# Altium PCB BDD_modul_ARM_v2.1_PCB.PcbDoc (continued)
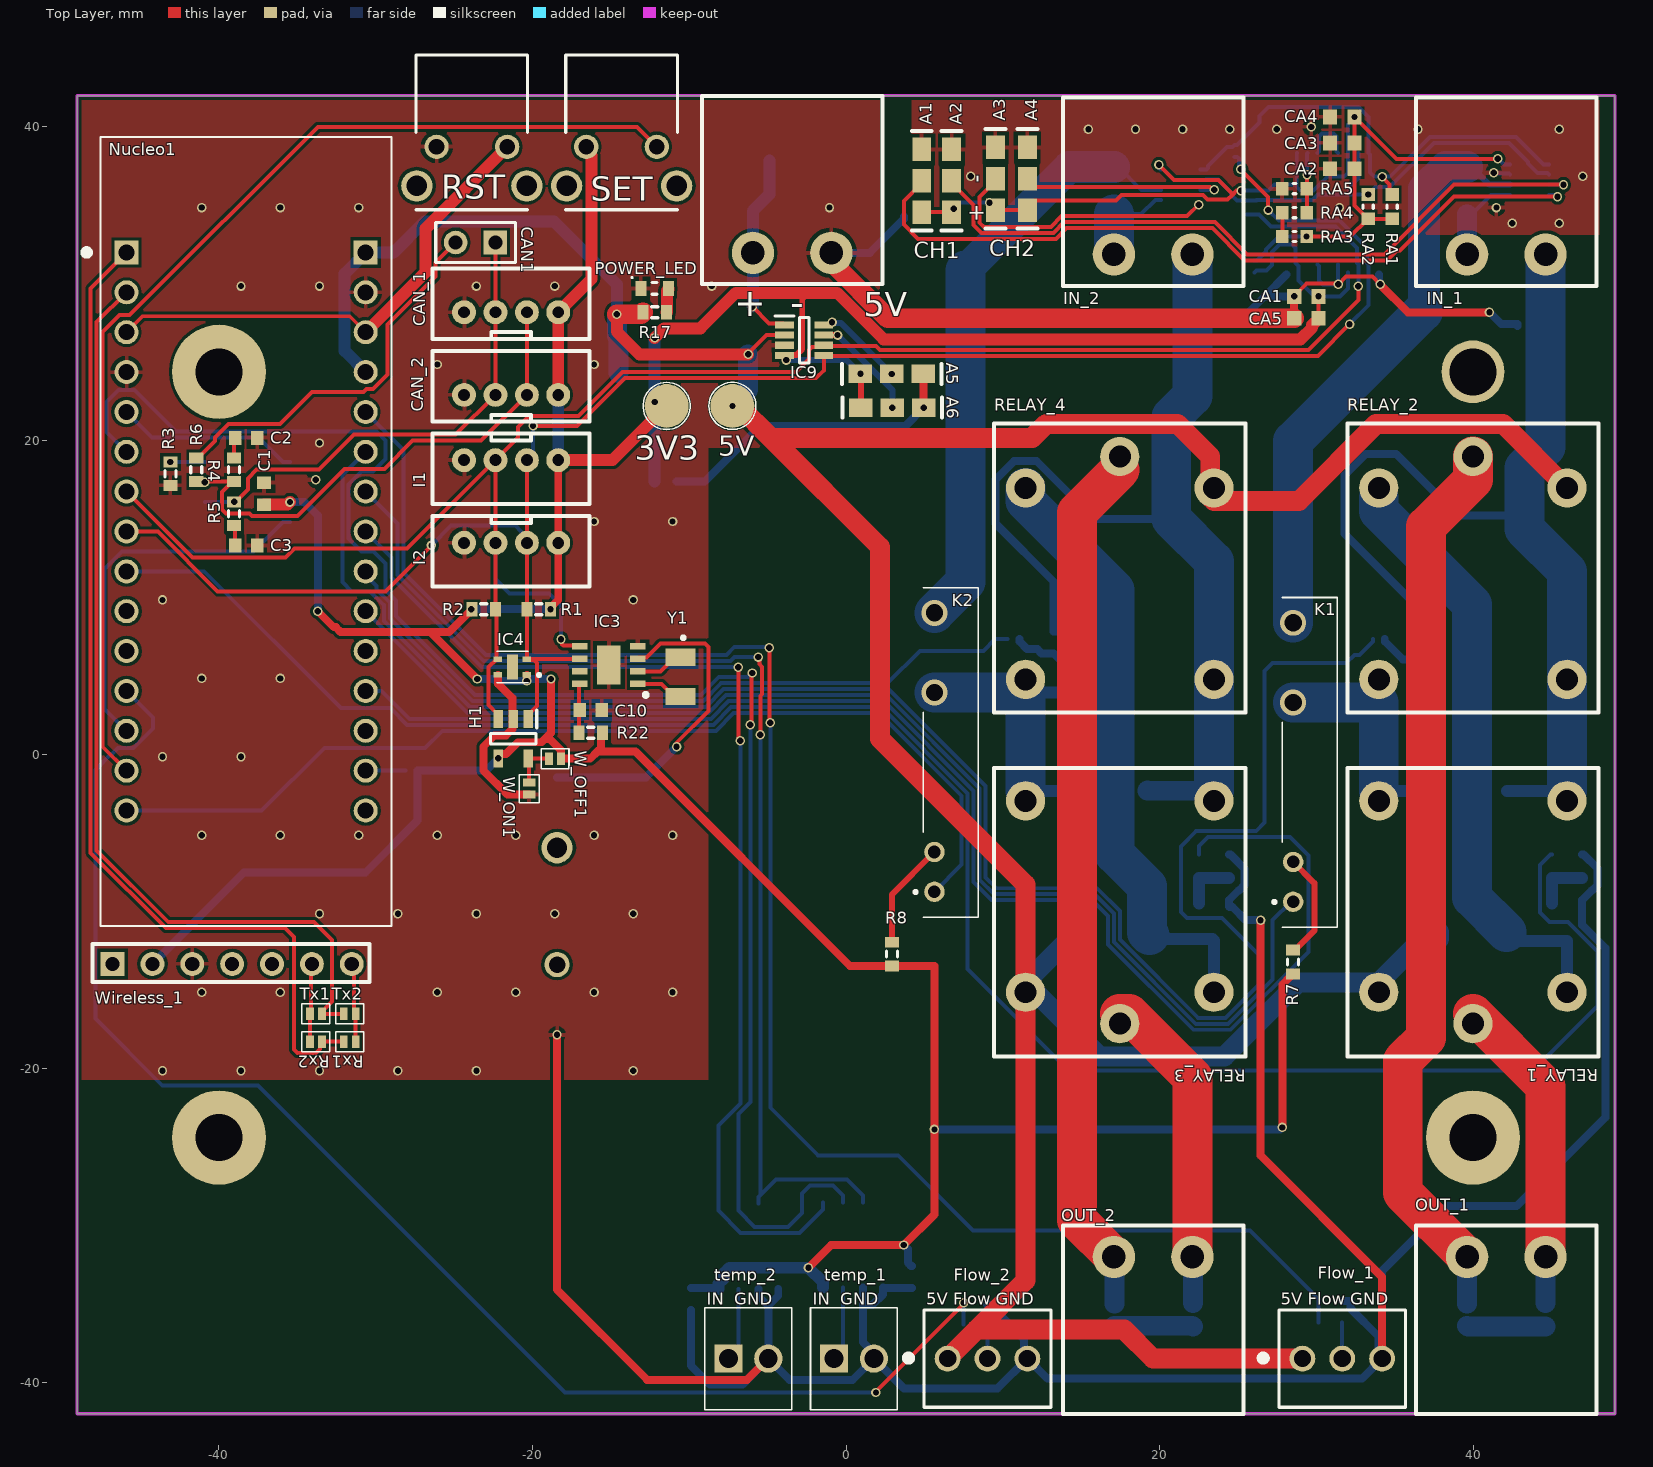
[diagram p0: Top Layer view]
## Via types
v1: diameter 0.6, hole 0.4, Top Layer to Bottom Layer, tented both sides, 127 vias
v2: diameter 1, hole 0.8, Top Layer to Bottom Layer, tented both sides, 4 vias
v3: diameter 1.4, hole 1.3, Top Layer to Bottom Layer, tented both sides, 4 vias
v4: diameter 1.2, hole 1, Top Layer to Bottom Layer, tented both sides, 4 vias
v5: diameter 1.65, hole 1.1, Top Layer to Bottom Layer, tented both sides, 4 vias

## Nets (pads, with @x,y where several pads share a name; then routed paths per layer and width w, separated by ;. In a path a pad name is that pad's centre, name@x,y a point inside that pad or via, vN(x,y) a via of type N, cw(c..) or ccw(c..) an arc to the next point about the centre after c; other vN are vias at no path point)
3V3: 1.2 3V3.1 3v3.1 A5.3 A6.3 C1.1 C4.1 C5.1 C6.1 C7.1 C8.1 C15.2 C16.2 CA1.1 CA5.1 CAN_1.4 CAN_2.4 H1.4 I1.1 I2.1 IC1.3 IC2.2 IC4.1 IC7.4 IC8.4 IC9.4 ISO1.4 ISO1.9 R1.2 R2.2 R7.1 R8.1 R22.1 SET.2 W_OFF1.2 Wireless_1.2 | length 292.8
  Top Layer w0.254: v1(-23.876,9.271) R2.2 ; R1.2@-18.836,9.171 v1(-18.836,9.271) ; CA5.1 v1(30.112,29.21)
  Top Layer w0.381: v1(-3.81,25.146) -3.917,25.253 IC9.4 -3.883,25.475 -3.155,25.475 -2.789,25.842 -2.789,29.056 -2.413,29.432 ; v1(0.921,24.273) 0.953,24.241 A6.3
  Top Layer w0.508: v1(-33.655,9.144) -32.639,8.128 -32.512,8.128 -32.207,7.823 -26.492,7.823 ; R2.2 -23.836,9.171 -23.932,9.075 -24.032,9.075 -25.284,7.823 -26.492,7.823 ; v1(-23.495,4.826) -26.492,7.823 ; v1(-22.159,-0.234) -22.159,0.041 -21.663,0.041 -20.91,0.795 -19.398,0.795 -19.177,1.016 ; v1(-20.336,4.699) IC4.1 ; v1(-18.836,9.271) -18.836,9.371 -18.336,9.871 I2.1 I1.1 ; v1(-18.796,4.826) -18.796,1.397 -19.177,1.016 ; R22.1 -15.602,1.301 -15.602,0.444 -15.833,0.212 ; v1(-2.393,-32.693) -0.943,-31.242 v1(3.683,-31.242) 5.635,-29.29 v1(5.635,-23.876) 5.635,-13.45 R8.1 0.242,-13.45 -13.42,0.212 -15.833,0.212 ; v1(27.8,-23.749) 27.8,-14.653 28.299,-14.154 28.299,-14.054 28.395,-13.958 R7.1 ; -19.177,1.016 -18.901,1.016 -18.165,0.28 -18.165,-0.25 W_OFF1.2 -16.3,-0.254 -15.833,0.212
  Top Layer w0.762: C1.1 -37.065,15.956 -35.578,15.956 v1(-35.433,16.101) ; I1.1 -14.887,18.768 3V3.1 ; CAN_2.4 CAN_1.4 -16.224,30.306 -16.224,38.196 -16.55,38.522 v4(-16.55,38.735) ; v1(-12.192,26.568) -11.597,27.163 -9.286,27.163 -7.017,29.432 -2.413,29.432 -0.568,29.432 2.394,26.469 28.965,26.469 29.705,27.209 29.705,27.381 30.112,27.788 CA5.1
  Bottom Layer w0.254: 3v3.1 26.158,30.857 26.791,30.857 27.144,31.209 27.144,32.037 27.618,32.512 28.421,32.512 28.652,32.281 28.652,31.344 ISO1.9 28.848,31.148 28.848,30.211 29.782,29.276 ; v1(30.112,29.21) 31.494,29.21 32,29.716 ISO1.4@32,30.736
  Bottom Layer w0.381: v1(-3.81,25.146) 0.048,25.146 v1(0.921,24.273)
  Bottom Layer w0.508: Wireless_1.2 -38.354,-7.493 -30.607,-7.493 -27.305,-4.191 1.2 -22.941,-1.016 v1(-22.159,-0.234) ; v1(-35.433,16.101) -34.516,16.101 -33.655,15.24 v1(-33.655,9.144) ; v1(-23.876,9.271) v1(-18.836,9.271) ; v1(-23.495,4.826) -22.433,4.826 -22.306,4.699 v1(-20.336,4.699) -20.311,4.699 -20.184,4.826 v1(-18.796,4.826) ; C16.2 -8.193,-33.971 IC8.4 ; v1(3.683,-31.242) 3.937,-31.496 3.937,-32.32 3.995,-32.378 3.995,-32.428 4.141,-32.574 C15.2 ; v1(5.635,-23.876) 27.648,-23.876 27.775,-23.749 v1(27.8,-23.749)
  Bottom Layer w0.762: I1.1 CAN_2.4 ; C8.1 C5.1 C6.1 C7.1 v1(-12.192,22.479) C4.1 v1(-12.192,26.568) ; IC8.4 -8.128,-33.71 -7.764,-33.346 -7.764,-33.033 -7.424,-32.693 v1(-2.393,-32.693) -1.457,-33.628 IC7.4
3v3_ISO_1: 3v3.2 A1.3 A2.3 A3.3 A4.3 CA2.1 CA3.1 CA4.1 IC5.4 IC6.4 ISO1.12 ISO1.17 RA1.2 RA2.2 RA3.2 | length 68.7
  Top Layer w0.254: A1.3 A2.3 ; v1(9.144,35.179) 9.144,35.084 A3.3 11.407,34.703 12.03,35.326 17.208,35.326 17.561,35.679 22.739,35.679 23.046,35.372 24.323,35.372 24.63,35.679 ; v1(19.939,37.592) 20.905,36.626 23.728,36.626 24.63,35.724 24.63,35.679 ; v1(25.17,35.941) 24.892,35.941 24.63,35.679 ; v1(29.35,33.02) 32.119,33.02 33.249,34.15 32.398,35.001 CA2.1 CA3.1 CA4.1@32.398,40.615 ; v1(32.398,40.64) CA4.1@32.398,40.615 ; RA2.2 RA1.2 ; v1(41.529,37.973) 35.065,37.973 32.746,40.292 32.721,40.292 CA4.1@32.398,40.615
  Bottom Layer w0.254: v1(6.858,34.798) 7.239,35.179 v1(9.144,35.179) ; v1(19.939,37.592) 19.939,37.397 20.037,37.299 IC6.4 ; v1(25.17,35.941) 26.932,35.941 27.313,36.322 28.723,36.322 ; 3v3.2 26.185,31.496 26.763,32.073 26.763,32.195 27.588,33.02 29.002,33.02 v1(29.35,33.02) ; ISO1.12 28.723,38.319 28.723,36.322 ; v1(32.398,40.64) 32.398,40.546 32,40.148 ISO1.17 32,37.084 31.746,36.83 30.674,36.83 29.785,35.941 28.946,35.941 28.723,36.164 28.723,36.322 ; v1(41.529,37.973) 41.587,37.973 41.936,37.624 IC5.4
5V: 5V.1@-7.239,22.225 C9.1 D1.1 D3.1 Flow_1.1 Flow_2.1 IC2.3 IC9.2 Nucleo1.4.1 Nucleo1.4.4 R15.1 R17.1 RELAY_1.2 RELAY_2.2 RELAY_3.2 RELAY_4.2 | length 238.9
  Top Layer w0.254: v1(-6.234,25.516) -6.234,25.566 -5.059,26.741 IC9.2
  Top Layer w0.762: v1(-14.605,28.067) -14.605,26.956 -13.165,25.516 v1(-6.234,25.516)
  Top Layer w1.27: v1(-14.605,28.067) -13.069,28.067 R17.1 ; v1(-7.239,22.225) -6.827,22.225 -4.795,20.193 ; Flow_2.1 8.319,-36.639 ; Flow_1.1 19.57,-38.481 17.729,-36.639 8.319,-36.639 ; RELAY_2.2 41.865,21.086 33.786,21.086 28.861,16.161 23.446,16.161 23.211,16.396 23.211,17.001 23.211,19.001 21.126,21.086 12.764,21.086 11.87,20.193 -4.795,20.193 ; -4.795,20.193 2.159,13.239 2.159,1.016 11.446,-8.271 RELAY_3.2 11.446,-33.512 8.319,-36.639
  Bottom Layer w0.762: Nucleo1.4.4 -30.607,24.39 -31.953,25.736 -31.953,30.658 Nucleo1.4.1 -28.829,32.004 -26.863,33.97 -18.603,33.97 -14.605,29.972 v1(-14.605,28.067)
  Bottom Layer w1.27: v1(-14.605,28.067) -14.605,26.681 IC2.3 C9.1 ; v1(-7.239,22.225) -6.234,23.23 v1(-6.234,25.516) ; D3.1 15.042,-11.733 15.032,-11.743 14.213,-11.743 11.531,-14.425 11.531,-14.595 16.158,-19.222 24.117,-19.222 28.829,-14.51 33.95,-14.51 36.717,-11.743 37.79,-11.743 37.8,-11.733 D1.1
5V_mer: 5V.2 "micro USB1.1" IC9.1 R15.2 | length 12.3
  Top Layer w0.254: v1(-5.969,28.551) -4.898,27.48 -4.006,27.48 IC9.1
  Bottom Layer w0.762: v1(-5.969,28.551) -5.929,28.591 5V.2 -5.929,34.657 -4.885,35.701 -4.885,37.853
ADR0_1: A2.2 IC5.7 | length 45.1
  Top Layer w0.254: A2.2 6.731,36.426 8.136,35.021 8.136,33.741 8.632,33.245 13.21,33.245 13.9,33.935 23.5,33.935 25.558,31.877 34.307,31.877 38.752,36.322 v1(45.72,36.322)
  Bottom Layer w0.254: IC5.7 44.812,36.323 v1(45.72,36.322) v1(45.72,36.322)
ADR0_2: A4.2 IC6.7 | length 13.1
  Top Layer w0.254: A4.2 11.557,36.66 12.03,36.187 23.186,36.187 23.374,35.999 v1(23.468,35.999)
  Bottom Layer w0.254: IC6.7 v1(23.468,35.999)
ADR0_3: A6.2 IC9.7 | length 7
  Top Layer w0.381: IC9.7 v1(-0.535,26.741)
  Bottom Layer w0.381: v1(-0.535,26.741) -0.535,26.736 2.953,23.248 v1(2.953,22.114)
ADR1_1: A1.2 IC5.8 | length 48.7
  Top Layer w0.254: A1.2 4.826,36.426 3.683,35.283 3.683,33.782 4.601,32.864 13.368,32.864 14.058,33.554 23.342,33.554 25.4,31.496 34.465,31.496 35.1,32.131 35.306,32.131 38.735,35.56 v1(45.339,35.56)
  Bottom Layer w0.254: IC5.8 45.225,35.674 v1(45.339,35.56)
ADR1_2: A3.2 IC6.8 | length 17.9
  Top Layer w0.254: A3.2 9.525,36.553 8.517,35.545 8.517,33.899 8.79,33.626 13.052,33.626 13.742,34.316 21.743,34.316 v1(22.479,35.052)
ADR1_3: A5.2 IC9.8 | length 5.8
  Top Layer w0.381: IC9.8 -1.042,27.391 -0.889,27.544 v1(-0.889,27.559)
  Bottom Layer w0.381: v1(-0.889,27.559) -0.847,27.517 -0.334,27.517 2.921,24.262 v1(2.921,24.257)
BDD1_Pac_+: IC5.1 IN_1.2 R13.2 | length 5.8
  Bottom Layer w0.254: R13.2 39.877,34.441 41.11,35.674 IC5.1
  Bottom Layer w1.27: IN_1.2 R13.2
BDD1_Pac_-: IC5.2 K1.4 R13.1 | length 37.6
  Bottom Layer w0.381: R13.1 39.877,37.441 40.994,36.324 IC5.2
  Bottom Layer w2.032: 36.757,28.248 36.83,28.321 36.83,36.05 38.221,37.441 R13.1
  Bottom Layer w2.54: v5(28.495,8.406) 28.495,19.986 36.757,28.248
BDD2_Pac_+: IC6.1 IN_2.2 R14.2 | length 6
  Bottom Layer w0.254: R14.2 18.803,34.441 19.711,35.349 IC6.1
  Bottom Layer w2.54: R14.2 IN_2.2 IN_2.2@17.104,31.908
BDD2_Pac_-: IC6.2 K2.4 R14.1 | length 38.4
  Bottom Layer w0.254: R14.1 17.373,37.441 18.815,35.999 IC6.2
  Bottom Layer w2.032: 7.62,30.861 14.2,37.441 R14.1
  Bottom Layer w2.54: v5(5.635,9.041) 7.62,11.026 7.62,30.861
BDD_1_DUTY_CYCLE: K1.1 Nucleo1.4.10 | length 80.8
  Bottom Layer w0.254: Nucleo1.4.10 -24.129,2.666 -8.771,2.666 -7.634,3.802 2.565,3.802 8.509,-2.142 8.509,-7.967 9.432,-8.89 15.844,-8.89 16.458,-9.504 16.458,-9.52 17.065,-10.127 17.065,-11.922 22.288,-17.145 24.353,-17.145 27.178,-14.32 27.178,-10.541 28.345,-9.374 v2(28.495,-9.374)
BDD_1_V-: D2.2 IN_1.1 R27.2 RELAY_1.4 RELAY_2.3 to_GND1.1 | length 66
  Bottom Layer w0.508: R27.2 36.068,9.775 31.75,14.093 31.75,17.78 33.147,19.177 35.052,19.177 38.989,15.24 42.164,15.24 43.23,16.306 ; D2.2 D2.2@42.124,-2.31
  Bottom Layer w0.762: D2.2@42.124,-2.31 RELAY_1.4@45.95,-2.31
  Bottom Layer w2.54: IN_1.1 44.577,19.613 43.23,18.266 43.23,16.306 43.23,14.399 45.95,11.679 RELAY_2.3 RELAY_1.4@45.95,-2.31
BDD_2_DUTY_CYCLE: K2.1 Nucleo1.3.15 | length 64.8
  Bottom Layer w0.254: Nucleo1.3.15 -37.231,-3.556 -33.243,0.432 -26.818,0.432 -25.728,1.523 -8.297,1.523 -7.161,2.659 2.092,2.659 7.366,-2.615 7.366,-7.008 v2(5.635,-8.739)
BDD_2_V-: D4.2 IN_2.1 R32.2 RELAY_3.4 RELAY_4.3 to_GND2.1 | length 64.6
  Bottom Layer w0.508: R32.2 13.235,7.862 13.235,11.022 9.525,14.732 9.525,17.526 10.704,18.705 12.152,18.705 15.823,15.034 20.726,15.034
  Bottom Layer w1.27: D4.2 19.215,-2.288 19.225,-2.298 23.434,-2.298 RELAY_3.4@23.446,-2.31 ; RELAY_4.3@23.434,3.949 RELAY_4.3@23.446,3.961
  Bottom Layer w2.54: IN_2.1 22.073,22.86 20.726,21.513 20.726,15.034 23.446,12.314 RELAY_4.3 23.446,3.961 RELAY_3.4@23.446,-2.31
Button: Nucleo1.3.14 SET.1 | length 69.8
  Top Layer w0.254: Nucleo1.3.14 -47.371,0.508 -47.371,26.944 -46.299,28.016 -45.644,28.016 -33.655,40.005 -13.32,40.005 v4(-12.05,38.735)
CAN_RX: IC1.4 Nucleo1.3.13 | length 23.9
  Bottom Layer w0.254: Nucleo1.3.13 -47.244,2.921 -47.244,11.831 -46.121,12.954 -37.747,12.954 -35.87,14.831 IC1.4
CAN_TX: IC1.1 Nucleo1.3.5 | length 11.7
  Bottom Layer w0.254: Nucleo1.3.5 -44.222,20.219 -37.449,20.219 -35.87,18.641 IC1.1
CANH: CAN_1.3 CAN_2.3 IC1.7 R4.2 R6.2 | length 32
  Top Layer w0.254: v1@-40.857,17.411 R4.2@-39.089,17.411 ; R4.2 R4.2@-39.089,17.411 ; CAN_1.3 CAN_2.3 -23.252,20.015 -27.61,20.015 -29.413,18.212 -31.953,18.212 -34.955,15.21 -37.856,15.21 -38.013,15.367 -39.501,15.367 -39.766,15.632 -39.766,16.734 R4.2@-39.089,17.411
  other v1: -40.857,17.371
CANL: CAN1.1 CAN_1.2 CAN_2.2 IC1.6 R5.2 | length 31.5
  Top Layer w0.254: v1(-38.989,16.117) -38.889,16.117 -38.119,16.887 -38.119,17.614 -37.572,18.161 -33.593,18.161 -31.358,20.396 -24.871,20.396 CAN_2.2 CAN_1.2 CAN1.1
  Bottom Layer w0.254: IC1.6 -40.849,16.109 -38.997,16.109 v1(-38.989,16.117)
CS_Termoclánok: IC7.6 IC8.6 Nucleo1.3.6 | length 107.1
  Top Layer w0.254: v1(-6.096,1.905) -6.032,1.968 -6.032,5.143 v1(-5.969,5.207)
  Bottom Layer w0.254: Nucleo1.3.6 -47.117,20.574 -47.117,22.479 -46.355,23.241 -45.339,23.241 -42.698,20.6 -29.902,20.6 -29.337,20.035 -29.337,18.84 -30.143,18.034 -30.881,18.034 -31.699,17.216 -31.699,13.772 -30.881,12.954 -30.099,12.954 -29.337,12.192 -29.337,10.496 -28.682,9.841 -28.682,8.835 -23.655,3.809 -9.244,3.809 -8.108,4.945 -6.231,4.945 v1(-5.969,5.207) ; v1(-6.096,1.905) -6.096,-22.129 -6.858,-22.891 IC8.6 -6.858,-29.049 -5.825,-30.082 -3.7,-30.082 -2.809,-29.191 -2.809,-27.955 -2.294,-27.44 -0.839,-27.44 -0.187,-28.092 IC7.6
Flow_1: Nucleo1.4.5 R9.2 R10.1 | length 107.7
  Top Layer w0.254: v1(-4.899,6.815) -4.862,6.778 -4.862,2.068 v1(-4.826,2.032)
  Bottom Layer w0.254: Nucleo1.4.5 -28.194,19.431 -28.194,11.619 -22.925,6.35 -7.62,6.35 -7.12,6.85 -4.934,6.85 v1(-4.899,6.815) ; v1(-4.826,2.032) -4.826,-22.479 -1.781,-25.524 3.299,-25.524 8.102,-30.327 25.74,-30.327 30.111,-34.698 R9.2 R10.1
Flow_2: Nucleo1.3.12 R11.2 R12.1 | length 92.7
  Top Layer w0.254: v1(1.905,-40.64) 1.905,-40.577 7.493,-34.989 v1(7.493,-34.925)
  Bottom Layer w0.254: Nucleo1.3.12 -44.164,2.381 -44.164,1.663 -45.395,0.432 -46.375,0.432 -46.807,0 -46.863,0 -47.825,-0.962 -47.825,-16.818 -43.57,-21.073 -37.474,-21.073 -17.907,-40.64 v1(1.905,-40.64) ; R12.1 v1(7.493,-34.925)
GND: 5V.1@-0.929,31.98 "micro USB1.5" A5.1 A6.1 Batt_CR1.2 C1.2 C2.2 C3.2 C4.2 C5.2 C6.2 C7.2 C8.2 C9.2 C10.2 C15.1 C16.1 CA1.2 CA5.2 CAN_1.1 CAN_2.1 Flow_1.3 Flow_2.3 GND.1 H1.2 I1.4 I2.4 IC1.2 IC2.1 IC3.4 IC3.9 IC4.4 IC7.1 IC7.2 IC8.1 IC8.2 IC9.3 ISO1.1 ISO1.5 ISO1.7 ISO1.10 M1.2 M2.2 Nucleo1.3.4 Nucleo1.4.2 POWER_LED.2 R3.2 R9.1 R11.1 R25.2 R30.2 RST.2 temp_1.2 temp_2.2 to_GND1.2 to_GND2.2 W_ON1.1 Wireless_1.3 | length 287
  Top Layer w0.254: v1(28.562,29.21) 28.562,29.235 29.339,30.012 31.329,30.012 v1(31.369,29.972) 31.869,30.472 33.536,30.472 v1(34.036,29.972)
  Top Layer w0.508: IC4.4 -22.164,5.059 -22.164,4.512 -21.255,3.603 -21.255,2.312 H1.2 -21.255,2.22 -21.255,1.653 -21.671,1.237 -22.385,1.237 -23.114,0.508 -23.114,-1.004 -21.578,-2.54 W_ON1.1 ; v1(-18.415,-17.852) -18.415,-34.091 -12.671,-39.835 -6.307,-39.835 temp_2.2 ; A5.1 4.937,24.257 4.937,22.13 v1(4.953,22.114) ; v1(26.416,-10.541) 26.416,-25.527 34.163,-33.274 Flow_1.3 ; CA5.2 v1(28.562,29.21) ; v1(34.036,29.972) 35.814,28.194 v1(41.003,28.194)
  Top Layer w1.27: 5V.1@-0.929,31.98 -0.924,31.975 -0.924,31.404 2.667,27.813 CA5.2
  Bottom Layer w0.254: ISO1.7 30.148,31.148 30.148,30.211 30.387,29.972 v1(31.369,29.972) 31.359,29.982 31.359,31.236 ISO1.5
  Bottom Layer w0.508: C8.2 -9.017,17.399 -5.461,20.955 3.794,20.955 v1(4.953,22.114) ; C16.1 -9.892,-38.919 -8.679,-40.132 -6.604,-40.132 temp_2.2 ; IC8.2 -5.588,-34.473 -4.953,-35.108 ; IC8.1 -4.318,-34.473 -4.953,-35.108 ; 5V.1@-0.929,31.98 1.515,31.98 3.683,34.148 GND.1 ; IC7.2 1.083,-35.052 ; C15.1 2.373,-33.974 IC7.1 2.353,-34.392 1.692,-35.052 1.083,-35.052 ; R11.1 8.993,-35.025 9.386,-35.418 9.531,-35.418 11.338,-37.225 11.338,-38.262 Flow_2.3 ; to_GND2.2 25.157,27.686 26.681,29.21 ; R30.2 24.496,-6.362 25.4,-7.266 25.4,-8.3 25.034,-8.666 24.998,-8.666 24.396,-9.268 M2.2 24.396,-9.668 24.442,-9.714 24.642,-9.714 25.451,-10.523 26.398,-10.523 v1(26.416,-10.541) ; ISO1.10@28.071,30.6 26.681,29.21 ; v1(28.562,29.21) 26.681,29.21 ; R9.1 32.149,-34.798 32.149,-35.291 33.944,-37.086 33.944,-38.262 Flow_1.3 ; ISO1.1@33.979,30.6 33.979,30.054 34.036,29.997 v1(34.036,29.972) ; v1(41.003,28.194) 41.754,27.443 42.795,27.443 42.799,27.439 to_GND1.2 ; R25.2 47,-6.362 47.879,-7.241 47.879,-8.325 47.538,-8.666 47.502,-8.666 46.9,-9.268 M1.2 46.9,-10.837 48.387,-12.324 48.387,-23.114 42.735,-28.765 38.291,-28.765 34.163,-32.893 Flow_1.3 ; temp_2.2 -3.599,-39.835 0.424,-39.835 temp_1.2 ; temp_2.2 -4.953,-35.108 ; 1.083,-35.052 1.083,-37.436 1.778,-38.131 temp_1.2 ; temp_1.2 3.692,-40.395 9.643,-40.395 Flow_2.3 ; Flow_2.3 12.836,-39.76 32.884,-39.76 Flow_1.3
  other v1: -43.552,-20.137 -38.552,-20.137 -33.552,-20.137 -28.552,-20.137 -23.552,-20.137 -13.552,-20.137 -41.052,-15.137 -36.052,-15.137 -26.052,-15.137 -21.052,-15.137 -16.052,-15.137 -11.052,-15.137 -33.552,-10.137 -28.552,-10.137 -23.552,-10.137 -18.552,-10.137 -13.552,-10.137 -41.052,-5.137 -36.052,-5.137 -31.052,-5.137 -26.052,-5.137 -21.052,-5.137 -16.052,-5.137 -11.052,-5.137 -43.552,-0.137 -38.552,-0.137 -41.052,4.863 -36.052,4.863 -43.552,9.863 -13.552,9.863 -16.052,14.863 -11.052,14.863 -33.782,17.526 -33.552,19.863 -26.052,24.863 -16.052,24.863 -38.552,29.863 -33.552,29.863 -23.552,29.863 -18.552,29.863 -8.552,29.863 -41.052,34.863 -36.052,34.863 -31.052,34.863 -1.052,34.863
  other v4: -26.09,38.735
GND_ISO_1: A1.1 A2.1 A3.1 A4.1 CA2.2 CA3.2 CA4.2 GND.2 IC5.3 IC6.3 ISO1.11 ISO1.14 ISO1.16 ISO1.20 RA5.1 | length 4.5
  Bottom Layer w0.254: ISO1.14 30.148,38.444 30.148,39.381 30.34,39.573 31.06,39.573 31.252,39.381 31.252,38.444 ISO1.16 ; v1(41.275,37.084) 41.33,37.029 42.256,37.029 IC5.3
  other v1: 42.448,33.863 45.448,33.863 31.448,34.863 41.448,34.863 7.948,36.863 46.948,36.863 15.448,39.863 18.448,39.863 21.448,39.863 24.448,39.863 27.448,39.863 36.448,39.863 45.448,39.863 29.647,40.005
IN+_BDD_1: D2.1 K1.3 R26.1 RELAY_1.3 RELAY_2.4 | length 20.6
  Bottom Layer w0.508: R26.1 37.759,3.274 37.759,-2.246 D2.1 D2.1@37.776,-2.31
  Bottom Layer w0.762: RELAY_1.3@33.95,-2.31 D2.1@37.776,-2.31
  Bottom Layer w2.54: v5(28.495,3.326) 33.95,3.326 RELAY_1.3@33.95,-2.31
IN+_BDD_2: D4.1 K2.3 R31.1 RELAY_3.3 RELAY_4.4 | length 18.6
  Bottom Layer w0.762: RELAY_3.3@11.446,-2.31 11.458,-2.298 14.903,-2.298 D4.1 ; RELAY_4.4@11.446,3.961 11.452,3.955 14.472,3.955 R31.1
  Bottom Layer w2.54: v5(5.635,3.961) 11.446,3.961 RELAY_3.3@11.446,-2.31
Measuring_voltage_1: 7.2 Nucleo1.4.6 | length 121.3
  Bottom Layer w0.254: Nucleo1.4.6 -32.08,17.831 -32.08,10.998 -31.496,10.414 -30.333,10.414 -29.444,9.525 -29.444,8.519 -23.971,3.047 -8.928,3.047 -7.792,4.183 2.723,4.183 8.89,-1.984 8.89,-7.809 9.59,-8.509 16.002,-8.509 17.446,-9.953 17.446,-11.764 22.446,-16.764 24.195,-16.764 26.289,-14.67 26.289,-12.732 23.971,-10.414 21.717,-10.414 21.336,-10.033 21.336,-5.842 22.302,-4.876 26.112,-4.876 26.67,-4.318 26.67,5.334 27.178,5.842 31.877,5.842 32.391,6.356 32.709,6.356 33.569,7.216 7.2
Measuring_voltage_2: 8.2 Nucleo1.4.9 | length 46.8
  Bottom Layer w0.254: Nucleo1.4.9 -30.607,11.436 -29.921,10.749 -29.921,10.541 -29.063,9.683 -29.063,8.677 -23.813,3.428 -9.086,3.428 -7.95,4.564 2.659,4.564 4.718,6.623 8.763,6.623 9.506,7.366 8.2
MISO_term: IC7.7 IC8.7 Nucleo1.4.7 | length 74.4
  Top Layer w0.254: v1(-5.588,6.223) -5.522,6.157 -5.522,5.778 -5.342,5.598 -5.342,3.856 -5.461,3.737 v1(-5.461,1.27)
  Bottom Layer w0.254: Nucleo1.4.7 -28.575,14.732 -28.575,11.461 -23.083,5.969 -7.364,5.969 -7.11,6.223 v1(-5.588,6.223) ; IC8.7 -5.588,-28.174 IC8.7@-5.461,-28.047 ; v1(-5.461,1.27) IC8.7@-5.461,-28.047 ; IC7.7 1.083,-28.092 0.05,-27.059 -4.473,-27.059 IC8.7@-5.461,-28.047
NC: Nucleo1.3.10 Nucleo1.3.11
Net1_1: 1.1 Nucleo1.4.14 | length 2.5
  Bottom Layer w0.254: Nucleo1.4.14 1.1
Net7_1: 7.1 R26.2 R27.1 | length 3.9
  Bottom Layer w0.508: 7.1 34.331,7.224 35.478,6.077 35.972,6.077 R27.1 ; 36.591,5.842 37.619,4.814 R26.2
Net8_1: 8.1 R31.2 R32.1 | length 4.2
  Bottom Layer w0.508: 8.1 11.049,7.224 11.542,6.731 12.192,6.731 12.465,6.458 13.239,6.458 R32.1 14.236,5.461 R31.2@14.336,5.461
NetBatt_CR1_1: Batt_CR1.1 IC3.3 | length 20.6
  Top Layer w0.254: IC3.3 -13.19,6.188 -12.71,6.188 -11.818,7.08 -8.985,7.08 -8.763,6.858 -8.763,2.794 -10.795,0.762 v1(-10.795,0.508)
  Bottom Layer w0.508: Batt_CR1.1 -12.755,-1.452 v1(-10.795,0.508)
NetC2_1: C2.1 R4.1 | length 1.3
  Top Layer w0.254: R4.1 -38.989,20.131 C2.1
NetC3_1: C3.1 R5.1 | length 1.3
  Top Layer w0.254: R5.1 -38.927,14.555 C3.1
NetC10_1: C10.1 IC3.8 R22.2 | length 3.1
  Top Layer w0.254: R22.2 -17.006,4.472 IC3.8
NetC13_1: C13.1 R23.2 | length 5
  Bottom Layer w1.27: C13.1 39.627,-36.437 R23.2
NetC14_1: C14.1 R28.2 | length 5
  Bottom Layer w1.27: C14.1 22.055,-36.387 R28.2
NetCAN1_2: CAN1.2 R6.1 | length 24.7
  Top Layer w0.254: R6.1 -41.302,18.911 -40.219,19.994 -40.219,20.213 -39.359,21.073 -36.067,21.073 -34.026,23.114 -30.734,23.114 -30.556,23.292 -30.155,23.292 -29.205,24.241 -29.205,27.427 -26.162,30.471 -26.162,31.353 CAN1.2
NetFlow_1_2: Flow_1.2 R10.2 | length 2.3
  Bottom Layer w0.254: R10.2 31.617,-36.201 31.617,-38.475 Flow_1.2
NetFlow_2_2: Flow_2.2 R12.2 | length 2.2
  Bottom Layer w0.254: R12.2 9.005,-36.334 9.005,-38.469 Flow_2.2
NetIC1_8: IC1.8 R3.1 | length 2.2
  Bottom Layer w0.254: v1(-43.053,18.657) -43.045,18.649 -40.865,18.649 IC1.8
NetIC3_1: IC3.1 Y1.2 | length 3.1
  Top Layer w0.254: IC3.1 -11.753,4.515 -10.941,3.703 Y1.2
NetIC3_2: IC3.2 Y1.1 | length 3.1
  Top Layer w0.254: IC3.2 -11.829,5.315 -10.941,6.203 Y1.1
NetIC7_3: IC7.3 temp_1.1 | length 4.8
  Bottom Layer w0.254: temp_1.1 -0.187,-37.906 IC7.3
NetIC8_3: IC8.3 temp_2.1 | length 4.7
  Bottom Layer w0.254: temp_2.1 -6.858,-37.846 IC8.3
NetISO1_13: ISO1.13 RA4.2 RA5.2 | length 3.8
  Top Layer w0.254: RA4.2 29.375,34.569 v1(29.375,36.957)
  Bottom Layer w0.254: v1(29.375,36.957) 29.375,38.321 ISO1.13
NetK1_2: K1.2 R7.2 | length 6.8
  Top Layer w0.381: R7.2 28.595,-12.458 29.845,-11.208 29.845,-8.184 v2(28.495,-6.834)
NetK2_2: K2.2 R8.2 | length 6.9
  Top Layer w0.381: R8.2 2.921,-8.913 v2(5.635,-6.199)
NetM1_1: M1.1 R24.2 R25.1 | length 3.5
  Bottom Layer w0.762: M1.1 R24.2 R25.1
NetM2_1: M2.1 R29.2 R30.1 | length 3.5
  Bottom Layer w0.762: M2.1 R29.2 R30.1
NetPOWER_LED1_1: POWER_LED.1 R17.2 | length 1.6
  Top Layer w0.762: R17.2 -11.411,28.225 -11.411,29.561 -11.317,29.655 POWER_LED.1
NetRA3_1: RA3.1 RA4.1 | length 1.5
  Top Layer w0.254: RA3.1 RA4.1
NetRx1_1: Rx1.1 Tx2.2 Wireless_1.7 | length 5.1
  Top Layer w0.254: Wireless_1.7 -31.365,-13.466 -31.365,-16.387 Tx2.2 Rx1.1
NetRx2_2: Rx2.2 Tx1.1 Wireless_1.6 | length 5
  Top Layer w0.254: Rx2.2 Tx1.1 -34.099,-16.447 -34.099,-13.399 Wireless_1.6
NRST: Nucleo1.3.3 Nucleo1.4.3 RST.1 | length 31.6
  Top Layer w0.254: Nucleo1.3.3 -44.831,27.94 -31.623,27.94 Nucleo1.4.3
  Top Layer w0.762: Nucleo1.4.3 -26.797,30.734 -26.797,33.528 v4(-21.59,38.735)
OUT_1_BDD_1: OUT_1.2 R23.1 RELAY_1.1 | length 20.3
  Top Layer w2.54: RELAY_1.1@39.95,-16.51 44.577,-21.137 OUT_1.2
  Bottom Layer w1.27: R23.1 OUT_1.2
OUT_1_BDD_2: OUT_2.2 R28.1 RELAY_3.1 | length 20.7
  Top Layer w2.54: RELAY_3.1@17.446,-16.51 18.034,-16.51 22.073,-20.549 OUT_2.2
  Bottom Layer w1.27: OUT_2.2 22.105,-32.036 R28.1
OUT_2_BDD_1: C13.2 OUT_1.1 RELAY_2.1 | length 57.5
  Top Layer w2.54: OUT_1.1 35.48,-27.907 35.48,-19.511 36.957,-18.034 36.957,14.533 39.95,17.526 RELAY_2.1
  Bottom Layer w1.27: C13.2 OUT_1.1
OUT_2_BDD_2: C14.2 OUT_2.1 RELAY_4.1 | length 55.3
  Top Layer w2.54: OUT_2.1 14.726,-29.657 14.726,15.441 RELAY_4.1@17.446,18.161
  Bottom Layer w1.27: OUT_2.1 17.105,-32.036 C14.2
Polarity_BDD_1: Nucleo1.3.9 R24.1 | length 128.3
  Bottom Layer w0.254: Nucleo1.3.9 -40.894,11.684 -32.182,2.972 -29.032,2.972 -27.964,1.904 -8.455,1.904 -7.319,3.04 2.249,3.04 7.747,-2.458 7.747,-13.668 14.19,-20.111 43.77,-20.111 47.879,-16.002 47.879,-12.535 46.012,-10.668 44.831,-10.668 44.223,-10.06 44.223,-7.039 44.9,-6.362 R24.1
Polarity_BDD_2: Nucleo1.4.12 R29.1 | length 90.9
  Bottom Layer w0.254: Nucleo1.4.12 -29.585,4.064 -27.806,2.285 -8.613,2.285 -7.476,3.421 2.407,3.421 8.128,-2.3 8.128,-8.125 9.274,-9.271 15.67,-9.271 16.684,-10.285 16.684,-12.08 22.13,-17.526 24.511,-17.526 29.472,-12.565 29.472,-6.429 28.3,-5.257 23.064,-5.257 22.496,-5.825 R29.1
RELE_1: D1.2 M1.3 RELAY_1.5 RELAY_2.5 | length 37.8
  Bottom Layer w0.762: D1.2 42.665,-11.868 M1.3 RELAY_1.5@45.95,-14.51
  Bottom Layer w2.54: RELAY_2.5@33.95,16.383 33.95,15.526 39.895,9.581 39.895,-9.098 D1.2
RELE_2: D3.2 M2.3 RELAY_3.5 RELAY_4.5 | length 38.7
  Bottom Layer w0.762: D3.2@19.342,-11.505 19.586,-11.749 23.365,-11.749 23.446,-11.83 M2.3 RELAY_3.5@23.446,-14.51
  Bottom Layer w2.54: RELAY_4.5 11.446,16.161 17.12,10.487 17.12,-6.325 19.177,-8.382 19.177,-11.34 D3.2@19.342,-11.505
RX_wireless_1: Nucleo1.3.1 Rx1.2 Rx2.1 | length 65.3
  Top Layer w0.254: Nucleo1.3.1 -48.133,29.718 -48.133,-6.261 -43.345,-11.049 -35.749,-11.049 -35.179,-11.619 -35.179,-18.796 -34.96,-19.015 -33.778,-19.015 -33.524,-18.761 -33.524,-18.411 Rx2.1 Rx1.2
SCK: Nucleo1.4.15
SCK_term: IC7.5 IC8.5 Nucleo1.4.8 | length 71.6
  Top Layer w0.254: v1(-6.858,5.578) -6.858,1.016 v1(-6.731,0.889)
  Bottom Layer w0.254: Nucleo1.4.8 -28.956,12.573 -28.956,11.303 -23.241,5.588 -6.868,5.588 v1(-6.858,5.578) ; v1(-6.731,0.889) -6.731,-22.225 -8.128,-23.622 IC8.5 -8.128,-29.049 -6.714,-30.463 -2.953,-30.463 -1.457,-28.967 IC7.5
SCL: H1.1 I1.2 I2.2 IC3.6 IC4.2 IC9.5 ISO1.2 Nucleo1.3.8 R1.1 SCL.1 | length 124
  Top Layer w0.254: Nucleo1.3.8 -43.846,14.224 -40.036,10.414 -29.337,10.414 v1(-26.416,13.335) ; R1.1 I2.2 I1.2 ; IC4.2 R1.1 ; H1.1 -20.259,2.541 -19.685,3.115 -19.685,5.842 -19.875,6.032 -20.287,6.032 IC4.2 -20.318,6.097 -16.98,6.097 IC3.6 ; v1(-19.939,20.955) -17.145,20.955 -14.097,24.003 -1.905,24.003 -1.417,24.491 IC9.5 -1.391,25.415 30.073,25.415 v1(32.09,27.432) ; v1(25.146,37.299) 26.9,35.545 v1(26.9,34.705)
  Bottom Layer w0.254: v1(-26.416,13.335) -25.158,14.593 -21.07,14.593 -20.701,14.224 ; I1.2 -19.939,19.165 v1(-19.939,20.955) ; SCL.1 24.915,38.1 25.038,37.977 25.038,37.501 25.146,37.393 v1(25.146,37.299) ; v1(26.9,34.705) 27.577,34.028 31.455,34.028 33.202,32.281 33.202,31.344 ISO1.2 33.3,28.642 v1(32.09,27.432)
SCL_ISO_1: IC5.5 IC6.5 ISO1.19 RA1.1 SCL.2 | length 31.2
  Top Layer w0.254: v1(34.163,36.83) 34.645,36.348 34.645,35.853 RA1.1
  Bottom Layer w0.254: IC6.5 22.961,37.299 23.059,37.397 23.059,37.506 24.292,38.739 24.642,38.739 SCL.2 24.915,38.862 26.351,40.298 26.351,40.689 26.929,41.267 32.658,41.267 33.3,40.625 ISO1.19 33.398,38.248 33.398,37.1 33.668,36.83 v1(34.163,36.83) 34.671,36.83 37.211,39.37 42.69,39.37 44.436,37.624 IC5.5
SDA: H1.3 I1.3 I2.3 IC3.5 IC4.3 IC9.6 ISO1.3 Nucleo1.3.7 R2.1 SDA.1 | length 127.3
  Top Layer w0.254: Nucleo1.3.7 -41.641,12.558 -35.72,12.558 -35.146,13.132 -27.972,13.132 I1.3 ; IC4.3 IC4.3@-22.213,6.08 ; H1.3 -22.159,2.541 -22.787,3.169 -22.787,5.578 -22.285,6.08 IC4.3@-22.213,6.08 ; v1(-18.161,7.366) -18.095,7.3 -18.095,7.033 -18.012,6.95 -16.998,6.95 IC3.5 ; v1(32.649,29.845) 32.649,28.963 29.483,25.796 2.169,25.796 1.912,26.054 -1.38,26.054 IC9.6 -1.515,25.993 -2.152,25.993 -2.344,25.801 -2.344,25.214 -3.174,24.384 -14.255,24.384 -17.057,21.582 -20.199,21.582 -20.903,20.878 -20.903,20.201 I1.3 ; I1.3 I2.3 R2.1 -22.261,9.196 -22.261,6.128 IC4.3@-22.213,6.08
  Bottom Layer w0.254: I2.3 -22.336,11.191 -21.432,10.287 -18.928,10.287 -18.161,9.52 v1(-18.161,7.366) ; SDA.1 25.534,34.41 26.308,34.41 27.071,33.647 31.186,33.647 32.552,32.281 32.552,31.344 ISO1.3 ; v1(32.649,29.845) ISO1.3@32.649,31.245
SDA_ISO_1: IC5.6 IC6.6 ISO1.18 RA2.1 SDA.2 | length 29.1
  Bottom Layer w0.254: IC6.6@22.935,36.649 23.705,36.649 24.543,35.811 24.543,35.681 24.91,35.314 ; 26.162,35.306 25.527,35.306 24.918,35.306 24.91,35.314 ; ISO1.18 32.65,36.754 32.067,36.172 32.067,35.687 ; IC5.6 44.713,37.072 44.076,37.072 43.465,37.683 43.465,37.757 42.233,38.989 37.465,38.989 34.648,36.172 33.746,36.172 v1(33.274,35.7) 32.08,35.7 32.067,35.687 ; 24.91,35.314 25.527,35.314 26.127,35.314 26.162,35.349 29.158,35.349 29.731,35.349 30.069,35.687 32.067,35.687
TX_wireless_1: Nucleo1.3.2 Tx1.2 Tx2.1 | length 60.1
  Top Layer w0.254: Nucleo1.3.2 -47.752,27.559 -47.752,-6.103 -43.187,-10.668 -33.909,-10.668 -32.766,-11.811 -32.766,-15.725 -33.401,-16.36 Tx1.2 Tx2.1
WP: H1.5 W_OFF1.1 W_ON1.2 | length 2.9
  Top Layer w0.254: H1.5 -20.239,-0.254 H1.5@-20.193,-0.254 ; W_ON1.2 H1.5@-20.193,-0.254 ; W_OFF1.1 H1.5@-20.193,-0.254
pads on no net: "micro USB1.2" "micro USB1.3" "micro USB1.4" "micro USB1.SH1" "micro USB1.SH2" "micro USB1.SH3" "micro USB1.SH6" Batt_CR1. IC1.5 IC2.4 IC3.7 IC4.5 IC7.8 IC8.8 ISO1.6 ISO1.8 ISO1.15 Nucleo1.4.11 Nucleo1.4.13 RST.3 RST.4 SET.3 SET.4 Wireless_1.1 Wireless_1.4 Wireless_1.5
copper on no net:
  other v3: -27.345,36.245 -20.335,36.245 -17.805,36.245 -10.795,36.245

## Polygon pours and split planes (outlines as drawn)
GND on Bottom Layer "GND_Bottom" (solid, remove dead copper, pour order 12): -8.763,-20.701 -8.763,19.558 0.889,19.558 0.889,42 -49,42 -49,-20.701
GND_ISO_1 on Bottom Layer "GND_Bottom" (solid, pour order 0): 4.191,42.037 48.006,42.037 48.006,33.147 35.433,33.147 35.433,32.385 25.877,32.385 25.877,33.401 4.191,33.401
GND on Top Layer "GND_Bottom" (solid, remove dead copper, pour order 8): -8.763,-20.701 -8.763,19.558 2.159,19.558 2.159,42 -49,42 -49,-20.701
GND_ISO_1 on Top Layer "GND_Bottom" (solid, remove dead copper, pour order 2): 4.191,42.037 48.006,42.037 48.006,33.147 35.433,33.147 35.433,32.385 25.877,32.385 25.877,33.401 4.191,33.401

## Keep-outs
Keep-Out Layer:
  the board outline again, w0.203

## Silkscreen, mask and mechanical layers (free items; w line width, h text height)
Top Overlay:
  text "+   -" at 8.79,33.935 h1.02 r90
  text "CH2" at 9.144,31.75 h1.02
  text "CH1" at 4.318,31.623 h1.02
  text "+  -" at -7.112,27.94 h1.78
  text "IN  GND" at -8.863,-35.052 h0.76
  text "IN  GND" at -2.132,-35.052 h0.76
  text "5V Flow GND" at 5.107,-35.052 h0.76
  text "5V Flow GND" at 27.713,-35.052 h0.76

## Text inside footprints (layer, text, board x,y; h text height)
"micro USB1": Mechanical 1 "PCB EDGE" at -9.525,44.196 h0.76 r180